# KiCad board input-output.Disk.kicad_pcb (continued)
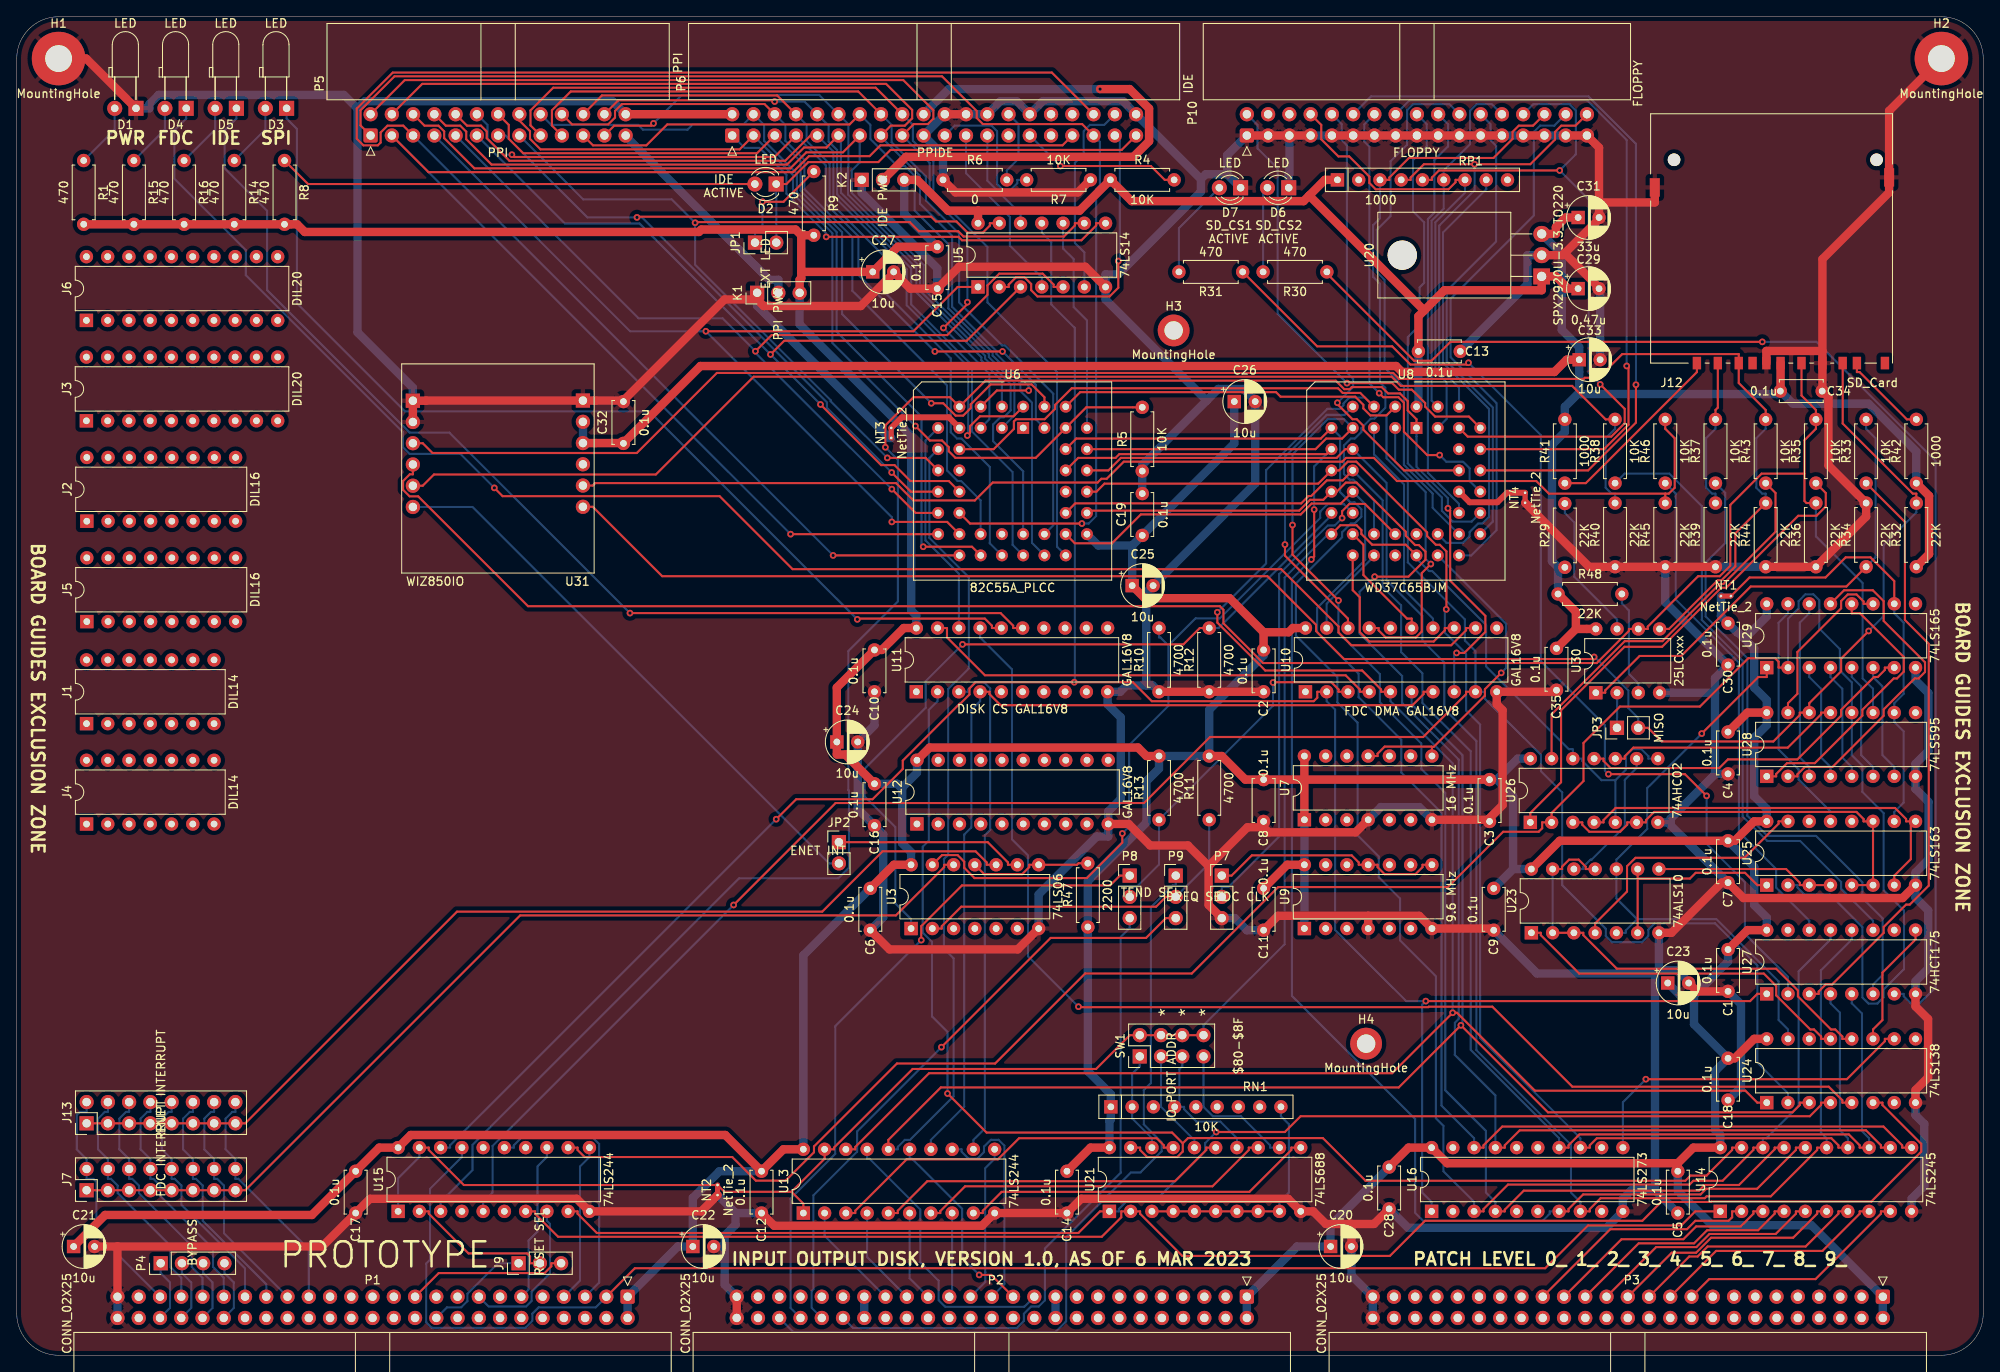
[diagram p0: board, top side]
## Nets (continued)
/PPIDE/~{PC3}: P6.37 U5.2
/PPIDE/~{PC4}: P6.38 U5.6
/PPIDE/~{PC5}: P6.23 U5.4
/PPIDE/~{PC6}: P6.25 U5.12
/PPIDE/~{PC7}: P6.1 U5.8
/PPIDE/~{PDIAG}: P6.34
/WIZNET/D0: U28.15 U29.11
/WIZNET/D1: U28.1 U29.12
/WIZNET/D2: U28.2 U29.13
/WIZNET/D3: U28.3 U29.14
/WIZNET/D4: U28.4 U29.3
/WIZNET/D5: U28.5 U29.4
/WIZNET/D6: U28.6 U29.5
/WIZNET/D7: U28.7 U29.6
/WIZNET/MISO: J12.7 JP3.2 R32.2 U28.14 U31.J2-6
/WIZNET/MOSI: J12.2 R43.2 R44.2 U30.5 U31.J1-3
/WIZNET/QD: U25.5 U25.6 U25.11 U26.3 U26.6 U29.15
/WIZNET/RCO: U23.4 U25.15
/WIZNET/SCK: J12.5 R35.2 R36.2 U28.11 U30.6 U31.J1-4
/WIZNET/~{CLR}: U23.6 U23.9 U25.1
/WIZNET/~{CS0}: R38.2 R40.2 U31.J1-5
/WIZNET/~{CS1}: R33.2 R34.1 U30.1
/WIZNET/~{CS2}: J12.1 R37.2 R39.2
/WIZNET/~{CTRL_WR}: U24.11 U27.9
/WIZNET/~{ENET_INT}: JP2.1 U3.9
/WIZNET/~{LATCH_WR}: U16.11 U24.10
/WIZNET/~{MOSI}: U26.11 U29.7
/WIZNET/~{QD}: U25.7 U25.9 U26.4
/WIZNET/~{RST}: R45.2 R46.2 U31.J2-5
/WIZNET/~{SD_RDNTR}: U23.1 U24.13
/WIZNET/~{SD_RDTR}: U23.2 U23.3 U23.11 U23.13 U24.12
/WIZNET/~{SD_WRTR}: U23.5 U23.10 U24.15 U29.1
/WIZNET/~{SER_RD}: U26.10 U28.13
/WIZNET/~{STAT_RD}: U24.9
/WIZNET/~{TR}: U23.8 U25.3 U25.4
A0: P2.35 U13.2
A1: P2.33 U13.4
A2: P2.31 U13.6
A3: P2.29 U13.8
A4: P2.27 U13.11
A5: P2.25 U13.13
A6: P2.23 U13.15
A7: P2.21 U13.17
bA0: U6.10 U8.4 U10.5 U13.18 U24.1
bA1: U6.9 U10.6 U13.16 U24.3
bA2: U10.7 U11.4 U13.14
bA3: U11.3 U13.12
bA4: U13.9 U21.11
bA5: U13.7 U21.13
bA6: U13.5 U21.15
bA7: U13.3 U21.17
bCLK: U15.12 U25.2 U26.2 U28.12 U29.2
bD0: U6.38 U8.7 U14.18 U16.3 U27.13
bD1: U6.37 U8.8 U14.17 U16.4
bD2: U6.36 U8.9 U14.16 U16.7
bD3: U6.35 U8.10 U14.15 U16.8 U27.12
bD4: U6.33 U8.11 U14.14 U16.13 U27.4
bD5: U6.32 U8.12 U14.13 U16.14 U27.5
bD6: U6.31 U8.13 U14.12 U16.17
bD7: U6.30 U8.14 U14.11 U16.18
CLK: P1.15 U15.8
D0: P3.33 U14.2
D1: P3.31 U14.3
D2: P3.29 U14.4
D3: P3.27 U14.5
D4: P3.25 U14.6
D5: P3.23 U14.7
D6: P3.21 U14.8
D7: P3.19 U14.9
FDC-RESET: U8.20 U10.19
FDC-TC: U8.6 U10.18
INT_FDC: R10.2 U3.13 U8.16
ONE: NT1.2 U25.10 U28.10 U29.10
ZERO: NT2.2 SW1.2 SW1.4 SW1.6 SW1.8 U8.17 U8.24 U13.1 U13.19 U15.1 U15.19 U26.5 U26.8 U26.12
~{BAI}: P1.40 P4.4
~{BAO}: P1.42 P4.3
~{bIORQ}: U15.9 U21.1 U24.4
~{bM1}: U15.7 U21.2 U24.6
~{bRD}: U6.6 U8.1 U10.8 U15.3
~{bRESET}: U5.11 U10.2 U15.18 U16.1 U27.1
~{bWR}: U6.40 U8.2 U10.9 U15.5 U24.2
~{CS_DISK}: U11.2 U14.19 U21.19
~{CS_FDC}: U10.4 U11.19
~{CS_PPIDE}: U6.7 U11.18
~{CS_SPI}: U11.17 U24.5
~{DREQ0}: P2.46 P9.1
~{DREQ1}: P2.42 P9.3
~{EIRQ0}: J7.2 J13.2 P1.45
~{EIRQ1}: J7.4 J13.4 P1.43
~{EIRQ2}: J7.6 J13.6 P1.41
~{EIRQ3}: J7.8 J13.8 P1.39
~{EIRQ4}: J7.10 J13.10 P1.37
~{EIRQ5}: J7.12 J13.12 P1.35
~{EIRQ6}: J7.14 J13.14 P1.33
~{EIRQ7}: J7.16 J13.16 P1.31
~{FDC-DACK}: U8.5 U10.14
~{IEI}: P1.44 P4.2
~{IEO}: P1.46 P4.1
~{IORQ}: P1.7 U15.11
~{LDCR}: U8.19 U10.15
~{LDOR}: U8.18 U10.13
~{M1}: P1.11 U15.13
~{MSR-DATA}: U8.3 U10.17
~{PULSE}: P8.2 R13.1 U10.3
~{RD}: P1.3 U14.1 U15.17
~{RES_IN}: J9.1 P1.20
~{RES_OUT}: J9.3 P1.21
~{TEND0}: P2.44 P8.1
~{TEND1}: P2.40 P8.3
~{WR}: P1.5 U15.15
Net-(D1-Pad2): D1.2 R1.1
Net-(D2-Pad2): D2.2 R8.1
Net-(D3-Pad1): D3.1 U11.16
Net-(D3-Pad2): D3.2 R14.1
Net-(D4-Pad2): D4.2 R15.1
Net-(D5-Pad1): D5.1 U11.15
Net-(D5-Pad2): D5.2 R16.1
Net-(D6-Pad2): D6.2 R30.2
Net-(D7-Pad2): D7.2 R31.2
Net-(J9-Pad2): J9.2 U15.2
Net-(J12-Pad8): J12.8 R42.2
Net-(J12-Pad9): J12.9 R41.1
Net-(J13-Pad1): J13.1 J13.3 J13.5 J13.7 J13.9 J13.11 J13.13 J13.15 U3.10
Net-(JP1-Pad1): JP1.1 R9.1
Net-(JP2-Pad2): JP2.2 U31.J1-6
Net-(JP3-Pad1): JP3.1 U30.2
Net-(P7-Pad1): P7.1 U9.8 U9.11
Net-(P7-Pad2): P7.2 U8.23
Net-(R29-Pad2): R29.2 U30.7
Net-(R30-Pad1): R30.1 U27.7
Net-(R31-Pad1): R31.1 U27.2
Net-(R33-Pad1): R33.1 U27.3
Net-(R35-Pad1): R35.1 U26.1
Net-(R37-Pad1): R37.1 U27.6
Net-(R38-Pad1): R38.1 U27.11
Net-(R43-Pad1): R43.1 U26.13
Net-(R46-Pad1): R46.1 U27.14
Net-(R47-Pad2): R47.2 U3.8 U3.11
Net-(R48-Pad2): R48.2 U30.3
Net-(RN1-Pad2): RN1.2 SW1.1 U21.18
Net-(RN1-Pad3): RN1.3 SW1.3 U21.16
Net-(RN1-Pad4): RN1.4 SW1.5 U21.14
Net-(RN1-Pad5): RN1.5 SW1.7 U21.12
Net-(RN1-Pad9): RN1.9 U21.3 U21.4 U21.5 U21.6 U21.7 U21.8 U21.9
Net-(U5-Pad10): U5.10 U6.39
Net-(U23-Pad12): U23.12 U26.9

Pads without a net: H3 1; H4 1; J1 1 2 3 4 5 6 7 8 9 10 11 12 13 14; J2 1 2 3 4 5 6 7 8 9 10 11 12 13 14 15 16; J3 1 2 3 4 5 6 7 8 9 10 11 12 13 14 15 16 17 18 19 20; J4 1 2 3 4 5 6 7 8 9 10 11 12 13 14; J5 1 2 3 4 5 6 7 8 9 10 11 12 13 14 15 16; J6 1 2 3 4 5 6 7 8 9 10 11 12 13 14 15 16 17 18 19 20; J12 10 11; P10 4 6; RN1 6 7 8; RP1 2 9; U3 3 4 5 6; U6 1 12 23 34; U7 2 3 5 6 9 10 12 13; U8 22 25 38; U9 2 3 5 6 9 10 12 13; U10 1 11 16; U11 1 5 6 7 8 9 11 12 13 14; U12 1 2 3 4 5 6 7 8 9 11 12 13 14 15 16 17 18 19; U15 4 6 14 16; U16 2 5 6 9 12 15 16 19; U24 7 14; U25 12 13 14; U27 10 15; U28 9; U29 9; U31 J2-4

## Via types
v1: diameter 0.8, hole 0.4, Top to Bottom, 79 vias

## Routing (per net, layer and track width the routed paths; a pad name or vN(x,y) marks a point on that pad's centre or on a via; arc(x,y) is an arc through that point)
+12V: length 2.5
  Bottom w1: P2.20 P2.19
-12V: length 2.5
  Bottom w1: P2.38 P2.37
/FDC/GND_PLCC: length 8.9
  Top w0.7: NT4.2 178.08,103.1 176.94,101.96 173.62,101.96 U8.34
/PPIDE/GND_PLCC: length 9.2
  Top w0.7: U6.8 111.39,112.11 105.76,112.11 NT3.2
/PPIDE/VCC_IDE: length 66.8
  Top w1: K2.2 106.27,143.25 133.45,143.25 135.31,145.12 135.31,149.03 132.99,151.35 v1(129.46,151.35)
  Bottom w1: P6.20 111.37,151.35 v1(129.46,151.35)
/PPIDE/VCC_PP: length 27
  Bottom w1: P5.25 72.77,145.72 89.93,128.55 91.02,128.55 K1.2
GND: length 1359.3
  Top w1: 149,63.11 149.6,62.51 159.99,62.51 U7.4 ; 149,63.11 C8.2 ; 149,63.11 147.06,63.11 142.43,58.47 ; C27.2 104.79,129.47 104.86,129.41 ; C28.2 162.2,15.7 159.5,15.7 ; R7.1 126.81,139 112.19,139 R6.1 ; P6.2 85.49,148.35 72.77,148.35 P5.26 ; P6.24 P6.22 ; 184.98,131.72 189.08,135.82 C31.2 189.08,137.8 ; 184.98,131.72 184.76,131.5 U20.2 ; 184.98,131.72 189.08,127.61 C29.2 ; 12.04,13 P1.49 ; 12.04,13 C21.2 ; 12.04,13 36.5,13 C17.2 42.2,18.7 66.93,18.7 U15.10 81.8,17.2 NT2.1 ; C6.2 104.29,48.52 119.62,48.52 U3.7 ; P2.49 P2.50 ; C2.2 R12.1 R10.1 ; 161.5,52.53 150.72,52.53 C11.2 ; 161.5,52.53 U9.4 ; 161.5,52.53 167.6,52.53 U9.7 176.3,51.01 C9.2 ; P10.29 P10.27 ; 142.43,58.47 139.96,60.94 135.44,60.94 132.88,63.51 U12.10 ; 142.43,58.47 142.43,53.83 P7.3 ; 104.86,129.41 100.86,125.42 89.27,125.42 88.47,126.21 ; 104.86,129.41 106.77,127.5 C15.2 112.61,130.11 127.7,130.11 U5.7 ; 88.47,126.21 K1.1 ; 88.47,126.21 84.59,126.21 72.5,114.12 ; 159.5,15.7 C20.2 ; 159.5,15.7 156.44,15.7 154.94,17.2 U21.10 151.93,18.71 127.21,18.71 C14.2 U13.10 115.35,15.49 90.51,15.49 C12.2 ; R44.1 R36.1 221,100.25 R34.2 216.5,106.37 216.5,114.5 C34.2 215.78,115.28 J12.6 215.78,120.05 ; P10.9 P10.11 P10.13 P10.15 P10.17 P10.19 P10.21 P10.23 P10.25 ; U27.8 226.9,41.7 228.41,40.2 228.41,33.2 226.9,31.7 U24.8 ; 72.5,114.12 C32.2 ; 72.5,114.12 U31.J2-1 48.91,114.12 48.89,114.1 U31.J1-1 U31.J1-2 ; 189.08,137.8 195.75,137.8 J12.12 ; 189.08,137.8 189.08,144.36 P10.33 P10.31 ; 215.78,120.05 209.08,120.05 J12.3 ; 215.78,120.05 215.78,131.03 223.75,139 J12.13 223.75,148.75 H2.1 ; C1.2 200.79,43.5 C23.2 ; 175.8,64.01 C3.2 ; 175.8,64.01 177.56,65.77 177.56,77.11 176.86,77.81 U10.10 183.81,79.31 C35.2 ; 175.8,64.01 U7.7 ; D1.1 8.3,155 H1.1 ; U25.8 225.36,54.66 206.34,54.66 C7.2 203.74,56.5 197.74,50.5 U23.7 ; P10.1 P10.3 P10.5 P10.7 ; R39.1 R45.1 R40.1 187.9,94.25 NT4.1
  Bottom w1: 202.95,79.2 202.95,80.95 C30.2 197,90 R45.1 ; 202.95,79.2 202.95,69.55 203,69.5 ; 202.95,79.2 U30.4 ; 142.2,114.12 130.12,126.2 U5.7 130.12,129.2 131.62,129.2 141.51,139.09 141.51,140.59 ; 142.2,114.12 134.5,106.42 R5.1 C19.2 ; 142.2,114.12 143.58,115.5 146.59,115.5 148,114.09 C26.2 148,104.21 C25.2 134.98,91.19 134.98,80.07 ; C5.2 195.78,19.72 ; 195.78,19.72 195.78,45.64 ; 195.78,19.72 192.96,19.72 191.94,18.7 U16.10 189.97,15.24 166.26,15.24 C28.2 ; 85.9,17 NT2.1 ; 85.9,17 C12.2 ; 85.9,17 85.9,15.61 84.6,14.3 84.6,13 ; P6.24 P6.26 117.53,149.89 119.51,149.89 P6.30 122.63,149.91 132.19,149.91 P6.40 141.51,140.59 ; U27.8 226.9,44.7 228.42,46.22 228.42,53.18 226.9,54.7 U25.8 226.9,57.7 228.46,59.25 228.46,66.15 226.9,67.7 U28.8 226.9,70.7 228.44,72.24 228.44,79.16 226.9,80.7 U29.8 ; D6.1 152,141.16 152.08,141.24 P10.5 ; 195.78,45.64 196.15,46.02 196.24,46.02 ; 195.78,45.64 181.67,45.64 C9.2 ; C23.2 199.79,44.62 198.4,46.02 196.24,46.02 ; 197.62,63.7 197.62,64.12 203,69.5 ; 197.62,63.7 197.62,63.38 C7.2 ; 197.62,63.7 U26.7 ; C11.2 147,50.81 145.55,52.25 P7.3 ; K1.1 88.47,125.45 104.27,109.65 NT3.1 ; 203,69.5 C4.2 ; U24.8 226.9,28.7 227.95,27.65 227.95,20.22 226.44,18.7 U14.10 ; R6.1 110.69,143.47 P6.19 P6.22 ; U7.4 163.01,65.52 167.6,65.52 U7.7 ; 141.51,140.59 142.08,141.17 144.64,141.17 ; C10.2 102.5,75.31 C24.2 100.5,65.31 C16.2 103.54,62.27 103.54,52.35 C6.2 ; P10.1 144.64,143.44 144.64,141.17 ; C1.2 206.05,41.95 206.05,32.05 C18.2 ; 40.72,149.02 40.72,122.27 47.34,115.65 U31.J1-1 ; 40.72,149.02 41.61,149.9 71.21,149.9 P5.26 ; 40.72,149.02 39.09,150.65 16.95,150.65 15.85,149.55 15.85,149.05 D1.1 ; P2.49 84.6,8.44 84.6,13 ; 84.6,13 C22.2 ; 144.64,141.17 D7.1 ; C20.2 159.5,9.54 P3.49 P3.50 ; C13.2 180.53,128.03 180.53,131.5 U20.2 ; C33.2 189.21,127.37 C29.2 ; 134.98,80.07 132.62,80.07 131.86,79.31 U11.10 130.36,77.81 131.94,76.23 131.94,66.51 130.44,65.01 U12.10 130.44,62.01 129.04,62.01 122.12,55.08 U3.7 ; 134.98,80.07 135.74,80.07 R10.1 ; K2.1 100.97,138.95 110,129.92 C15.2 ; 196.24,46.02 U23.7 ; P10.31 P10.29 ; P10.7 P10.9 ; P10.25 P10.27 ; P1.49 P1.50 ; R44.1 R39.1
VCC: length 971.5
  Top w1: U9.14 151.82,58.63 C11.1 ; 114.88,136.82 111.28,136.82 107.61,140.5 K2.3 ; 114.88,136.82 U5.14 ; 114.88,136.82 127.01,136.82 R4.1 133.23,137.96 153.78,137.96 154.45,138.62 ; U28.16 206.82,76.82 C4.1 ; RP1.1 156.32,140.5 154.45,138.62 ; 168.19,124.89 170.61,127.31 182.23,127.31 U20.1 183.93,128.96 185.08,127.81 185.08,127.5 C29.1 ; 168.19,124.89 154.45,138.62 ; 168.19,124.89 167.5,124.2 C13.1 ; 198.5,22.96 C5.1 ; 198.5,22.96 200.36,24.82 U14.20 ; 198.5,22.96 170.94,22.96 U16.20 166.32,24.82 C28.1 ; U24.16 207.62,37.82 205.3,35.5 C18.1 ; 93.75,129.5 C27.1 105.29,132.5 C15.1 ; 93.75,129.5 93.75,133.88 ; 93.75,129.5 93.75,128.75 93.56,128.55 K1.3 ; 149,86.43 C2.1 ; 149,86.43 152,86.43 152.5,86.93 U10.20 ; 149,86.43 144.93,90.5 134.8,90.5 C25.1 ; 153.88,68.81 C3.1 ; 153.88,68.81 U7.1 ; 153.88,68.81 C8.1 146.82,68.81 144,71.63 R11.2 ; 153.88,68.81 U7.14 ; U21.20 128.32,24.82 C14.1 ; U27.16 206.82,50.82 C1.1 ; 93.75,133.88 R9.2 ; 93.75,133.88 93.07,134.56 81.81,134.56 81.52,134.27 34.42,134.27 33.5,135.19 R8.2 R14.2 R16.2 R15.2 R1.2 ; U23.14 184.38,61.5 C7.1 205.3,61.5 207.62,63.82 U25.16 ; U13.20 91.62,24.62 C12.1 84.67,26.33 47.08,26.33 U15.20 43.32,24.82 C17.1 35.27,16.77 10.56,16.77 C21.1 ; U12.20 109.09,72.64 133.99,72.64 135,71.63 R13.2 ; U11.20 106,86.93 103.38,84.31 C10.1 98,79.81 C24.1 98,71.81 99,71.81 C16.1 ; C6.1 104.82,58.63 U3.14
  Bottom w1: C3.1 176.86,68.81 ; 176.86,68.81 178.81,66.86 178.81,58.12 ; 176.86,68.81 179.37,71.32 U26.14 ; C6.1 94,47.81 U13.20 ; C12.1 83.98,22 80.79,18.82 C22.1 79,13 P1.1 P1.2 ; 206.46,85.65 207.62,84.48 207.62,79.82 209.12,78.32 U28.16 209.12,75.32 207.62,73.82 207.62,66.82 209.12,65.32 U25.16 ; 206.46,85.65 209.12,88.32 U29.16 ; 206.46,85.65 205.71,86.4 205.6,86.4 C30.1 203.65,88.35 NT1.1 ; U23.14 178.81,58.12 ; 178.81,58.12 C9.1 ; U6.29 129.25,96.79 133.29,96.79 ; U12.20 107.57,69.63 105.73,67.79 ; 200.43,43 198.8,43 C23.1 ; 200.43,43 200.43,39.57 C18.1 202.95,33.95 202.95,26.94 203.57,26.32 U14.20 ; 200.43,43 204.5,47.07 C1.1 ; U27.16 209.12,52.32 207.62,53.82 207.62,58.38 C7.1 ; K1.3 93.56,123.23 106.88,109.91 106.88,89.05 107.5,88.43 U11.20 ; K2.3 106.06,136.44 C15.1 ; C25.1 133.29,96.79 ; 133.29,96.79 C19.1 145.5,109 C26.1 ; C28.1 157,15.5 C20.1 153,13 P2.1 P2.2 ; U9.1 U9.14 U7.1 ; 105.73,67.79 105.21,68.31 C16.1 ; 105.73,67.79 105.81,67.71 105.81,61.19 106.88,60.13 U3.14 ; C13.1 167.5,113.62 U8.44 ; C5.1 198.5,19.64 202.59,15.55 214.45,15.55 P3.1 P3.2 ; U21.20 130.57,28.02 130.75,28.19 RN1.1 130.75,31.2 128,33.95 R47.1 128,56.69 135,63.69 135,68.63 136.5,70.13 R13.2 R11.2 142.5,77.16 149,83.66 C2.1
VDD: length 252
  Top w1: 186.32,86.82 U30.8 ; 186.32,86.82 C35.1 ; 186.32,86.82 186.32,88.87 R48.1 ; R42.1 228.52,102.73 228.52,95.77 R32.1 ; 72.5,109.04 C32.1 ; 72.5,109.04 U31.J2-3 ; 72.5,109.04 81.71,118.25 164.82,118.25 165.54,117.54 183.75,117.54 185.21,119 C33.1 ; C34.1 210.78,115.28 J12.4 ; C31.1 185.08,136 183.93,134.85 183.93,134.04 U20.3
  Bottom w1: 184.19,94.19 R48.1 ; 184.19,94.19 183.46,94.92 183.46,108.83 185,110.37 R41.2 185,113.37 186.71,115.08 ; 184.19,94.19 R29.1 ; 186.71,115.08 C33.1 186.71,120.5 184.63,122.58 184.63,131.64 U20.3 ; 186.71,115.08 186.91,114.89 210.39,114.89 C34.1 212.25,113.75 221.29,113.75 227,108.04 R42.1 ; U31.J2-3 U31.J2-2
16MHZ-CLK: length 39.4
  Top w0.25: U7.11 162.62,71.63 162.62,71.91 163.46,72.76 169.08,72.76 169.12,72.72 ; 169.12,72.72 169.32,72.72 175.45,78.84 175.45,79.62 v1(177.4,81.57) ; 169.12,72.72 U7.8
  Bottom w0.25: v1(177.4,81.57) 177.99,82.16 177.99,87.43 U8.26
/FDC/FDC_DMA: length 91.9
  Top w0.25: v1(113.02,84.98) 139.42,84.98 141.37,86.93 R12.2
  Bottom w0.25: v1(113.02,84.98) 108.63,80.58 108.63,77.41 101.33,70.11 101.33,66.8 104.99,63.13 104.99,54.02 106.88,52.14 U3.1 ; R12.2 143.63,86.93 157.11,100.41 U8.15
/FDC/PCVAL: length 52.8
  Bottom w0.25: U8.27 170.85,97.11 172.83,97.11 173.62,97.9 173.62,98.4 174.64,99.43 175.15,99.43 175.93,100.21 175.93,113.11 170.43,118.61 170.43,134.2 175.6,139.37 RP1.8
/FDC/RDY: length 41.7
  Top w0.25: U3.2 110.54,51.01 110.54,51.29 112.87,53.62 136.15,53.62 137.32,54.79 P9.2
  Bottom w0.25: P9.2 142.5,58.79 R11.1
/FDC/~{DCHG}: length 57.8
  Top w0.25: P10.34 186.28,146.98 184.57,146.98 183.83,146.23 183.83,145.33 180.87,142.37 v1(174.21,142.37) 168.16,142.37 166.57,140.78 166.57,140.5 RP1.4
  Bottom w0.25: U8.40 172.35,115.67 169.98,118.03 169.98,135.02 174.21,139.25 v1(174.21,142.37)
/FDC/~{DIRC}: length 57.2
  Bottom w0.25: P10.18 168.5,147.16 168.5,144.5 166.86,142.86 166.86,136.74 168.18,135.42 168.18,128.18 167.65,127.65 167.65,123.12 166.23,121.7 166.23,106.61 170.3,102.54 170.3,100.94 171.59,99.65 173.85,99.65 U8.31
/FDC/~{DS1}: length 54.5
  Top w0.25: v1(170.04,107.6) 168.55,107.6 165.77,110.39 165.77,113.87 165.12,114.52 163.3,114.52 v1(162.82,115)
  Bottom w0.25: P10.14 161.03,147.13 161.03,145.09 161.63,144.48 161.63,116.18 v1(162.82,115) ; U8.33 173.62,104.5 173.62,106.02 172.83,106.81 170.83,106.81 v1(170.04,107.6)
/FDC/~{DS2}: length 91.3
  Top w0.25: U8.35 187.78,105.77 193.5,111.49 v1(193.5,116.01)
  Bottom w0.25: v1(193.5,116.01) 193.5,144.8 187.82,150.48 161.84,150.48 P10.12
/FDC/~{HS}: length 64.4
  Bottom w0.25: P10.32 183.74,146.98 182.03,146.98 181.29,146.23 181.29,136.24 171.36,126.3 171.36,119.28 176.84,113.81 176.84,98.62 173.82,95.61 U8.28
/FDC/~{IDX}: length 56.4
  Top w0.25: P10.8 155.89,147.07 155.89,145.35 157.94,143.3 159.23,143.3 161.63,140.89 161.63,140.13 162.39,139.37 171.1,139.37 171.94,140.22 171.94,140.5 RP1.7
  Bottom w0.25: U8.43 170.87,111.91 170.87,116.28 169.53,117.62 169.53,135.44 173.06,138.97 RP1.7
/FDC/~{INT_FDC}: length 119.9
  Top w0.25: J7.1 J7.3 J7.5 J7.7 J7.9 J7.11 J7.13 J7.15 27.31,19.72 60.16,52.58 105.06,52.58 110.83,58.35 110.83,58.63 U3.12
/FDC/~{MO1}: length 54.6
  Top w0.25: v1(157.82,113.86) 157.82,113.69 159.62,111.89 160.13,111.89 160.92,111.1 160.92,110.64 165.79,105.77 U8.36
  Bottom w0.25: P10.10 158.34,147.17 158.34,145.24 158.95,144.63 158.95,117.46 159.7,116.71 159.7,115.73 v1(157.82,113.86)
/FDC/~{MO2}: length 83.3
  Top w0.25: U8.37 189.68,108.31 192.6,111.23 192.6,118.04 v1(192.39,118.25)
  Bottom w0.25: P10.16 166.45,150.01 187.65,150.01 192.39,145.27 v1(192.39,118.25)
/FDC/~{RDD}: length 71.2
  Top w0.25: P10.30 181.2,146.98 179.49,146.98 178.75,146.23 178.75,145.4 176.47,143.12 166.37,143.12 164.03,140.78 164.03,140.5 RP1.3
  Bottom w0.25: U8.21 162.19,102.19 159.72,104.66 159.28,104.66 158.6,105.34 158.6,108.76 159.42,109.58 159.91,109.58 160.69,110.36 160.69,110.83 161.82,111.96 162.24,111.96 163.54,113.26 163.54,115.64 162.91,116.28 162.91,128.09 162.09,128.92 162.09,135.08 162.91,135.91 RP1.3
/FDC/~{RWC}: length 55.5
  Top w0.25: v1(158.96,116.21) 164.37,116.21 165.16,115.42 166.71,115.42 168.31,113.82 168.31,113.39 169.49,112.21 173.53,112.21 U8.39
  Bottom w0.25: v1(158.96,116.21) 150.69,124.49 150.69,141.85 148.27,144.26 148.27,147.07 P10.2
/FDC/~{STEP}: length 50.7
  Bottom w0.25: U8.32 172.35,101.76 168.63,105.48 168.63,135.81 169.4,136.58 169.4,142.86 171.05,144.51 171.05,147.15 P10.20
/FDC/~{TR00}: length 42.2
  Bottom w0.25: P10.26 176.26,149.56 174.47,149.56 173.67,148.76 173.67,144.77 170.53,141.63 RP1.6 170.53,137.06 169.08,135.62 169.08,114.12 U8.42
/FDC/~{WD}: length 63.3
  Bottom w0.25: U8.30 169.2,101.3 169.2,103 165.77,106.44 165.77,115.74 163.46,118.05 163.46,128.54 162.53,129.47 162.53,134.53 164.18,136.18 164.18,142.72 166.14,144.69 166.14,148.83 166.87,149.55 171.19,149.55 P10.22
/FDC/~{WE}: length 56.3
  Bottom w0.25: P10.24 176.12,147.17 176.12,145.24 176.78,144.58 176.78,133.13 170.88,127.24 170.88,118.8 176.38,113.3 176.38,99.64 U8.29
/FDC/~{WP}: length 86.4
  Top w0.25: v1(184.38,141.63) 169.95,141.63 169.11,140.78 169.11,140.5 RP1.5 ; v1(189.22,116.06) 192.15,113.12 192.15,111.42 190.54,109.81 173.39,109.81 U8.41
  Bottom w0.25: v1(189.22,116.06) 187.84,117.44 187.84,138.16 v1(184.38,141.63) 186.32,143.57 186.32,148.79 185.56,149.55 181.23,149.55 P10.28
/GAL/~{CS_FDC_LED}: length 191.8
  Top w0.25: v1(57.07,103.68) 58.06,102.69 83.99,102.69 92.71,93.97 151.1,93.97 157.95,87.12 157.95,86.41 159.49,84.87 171.42,84.87 173.19,86.65 173.19,86.93 U10.12
  Bottom w0.25: D4.1 20.25,147.82 18.84,146.41 18.84,140.64 27.38,132.11 27.38,129.11 46.16,110.32 46.16,108.52 46.93,107.75 53,107.75 v1(57.07,103.68)
/PPIDE/CSEL: length 8.9
  Bottom w0.25: R6.2 118.31,141.63 119.71,143.02 119.71,147.15 P6.28
/PPIDE/DMARQ: length 17.9
  Bottom w0.25: P6.21 112.08,146.98 116.49,146.98 117.16,146.32 117.16,139.99 117.78,139.37 118.85,139.37 119.56,140.08 119.56,140.5 R7.2
/PPIDE/PA0: length 118.1
  Top w0.25: P5.2 46.37,152.43 105.94,152.43 109.54,148.83 109.54,147.82 108.89,147.17 107.18,147.17 P6.17 ; v1(113.6,125.88) 113.6,125.66 v1(110.74,122.79)
  Bottom w0.25: P6.17 109.1,142.53 109.1,138.66 113.6,134.16 v1(113.6,125.88) ; v1(110.74,122.79) 116.23,117.31 116.23,111.89 U6.5
/PPIDE/PA1: length 114.9
  Top w0.25: P6.15 104.46,146.98 106.12,146.98 107,147.86 107,148.86 103.89,151.97 48.46,151.97 P5.4 ; v1(120.93,115.32) 117.12,115.32 U6.4
  Bottom w0.25: P6.15 103.28,145.63 107.93,140.98 107.93,137.65 111.78,133.81 111.78,125.33 117.07,120.04 117.07,119.69 120.93,115.83 v1(120.93,115.32)
/PPIDE/PA2: length 102.2
  Top w0.25: P6.13 98.73,143.79 94.35,143.79 92.44,141.87 54.7,141.87 51.08,145.49 51.08,146.29 50.39,146.98 48.73,146.98 P5.6
  Bottom w0.25: U6.3 119.23,112.35 119.23,116.26 116.17,119.32 116.17,119.67 108.39,127.44 108.39,130.33 99.78,138.94 99.78,141.62 100.74,142.58 P6.13
/PPIDE/PA3: length 93.3
  Top w0.25: P6.11 96.77,144.37 94.08,144.37 92.05,142.33 56.74,142.33 53.72,145.36 53.72,146.26 53,146.98 51.27,146.98 P5.8
  Bottom w0.25: P6.11 98.49,145.51 98.49,138.96 107.49,129.96 107.49,127.07 115.27,119.29 115.27,118.94 117.73,116.48 U6.2
/PPIDE/PA4: length 99.2
  Top w0.25: P5.10 53.81,146.98 55.47,146.98 56.16,146.29 56.16,145.49 58.87,142.78 91.83,142.78 94.85,145.8 P6.9 ; U6.44 119.12,112.24 115.1,112.24 113.92,111.05 113.92,110.26 v1(113.6,109.94)
  Bottom w0.25: v1(113.6,109.94) 113.7,110.04 113.7,118.16 106.34,125.52 106.34,129.83 97.59,138.59 97.59,143.87 P6.9
/PPIDE/PA5: length 94.3
  Top w0.25: P6.7 90.55,143.23 59.45,143.23 v1(59.17,143.51) ; v1(117.8,119.99) v1(109.72,119.99)
  Bottom w0.25: v1(59.17,143.51) 58.15,143.51 56.25,145.41 56.25,147.07 P5.12 ; v1(117.8,119.99) 121.77,116.01 121.77,111.89 U6.43 ; P6.7 96.69,142.24 96.69,137.64 100.59,133.74 100.59,129.12 v1(109.72,119.99)
/PPIDE/PA6: length 94.3
  Top w0.25: U6.42 122.81,114.52 121.28,116.05 116.38,116.05 114.01,113.67 114.01,113.23 113.09,112.32 112.2,112.32 110.72,113.8 v1(109.29,113.8) ; P6.5 88.46,143.69 60.52,143.69 58.8,145.41 58.8,147.07 P5.14
  Bottom w0.25: P6.5 93.67,142.71 93.67,139.2 98.63,134.24 98.63,124.45 v1(109.29,113.8)
/PPIDE/PA7: length 105.6
  Top w0.25: R5.2 127.81,113.31 U6.41 121.77,107.27 112.17,107.27 111.38,108.06 111.38,108.54 110.58,109.35 109.12,109.35 v1(107.39,111.08) ; P5.16 60.06,147.59 61.33,146.32 61.33,145.4 62.59,144.14 86.38,144.14 P6.3
  Bottom w0.25: P6.3 92.76,141.08 92.76,138.83 97.47,134.13 97.47,121 v1(107.39,111.08)
/PPIDE/PB0: length 94.4
  Top w0.25: U6.20 114.15,96.65 v1(108.32,96.65)
  Bottom w0.25: v1(108.32,96.65) 108.12,96.85 108.12,112.21 97.98,122.35 97.98,134.25 93.22,139.01 93.22,141.26 89.31,145.17 89.31,147.07 P6.4 86.86,147.17 80.83,147.17 80.16,146.5 74.82,146.5 74.25,147.07 63.88,147.07 P5.18
/PPIDE/PB1: length 88.6
  Top w0.25: P5.20 66.36,147.13 70.68,147.13 71.5,147.95 71.5,148.73 72.32,149.56 89.36,149.56 P6.6
  Bottom w0.25: U6.21 115.19,102.17 112.86,104.5 112.44,104.5 111.16,105.77 111.16,115.93 99.86,127.23 99.86,133.65 94.12,139.38 94.12,142.89 91.85,145.17 91.85,147.07 P6.6
/PPIDE/PB2: length 90.5
  Top w0.25: P5.22 69.93,150.59 90.87,150.59 P6.8
  Bottom w0.25: P6.8 94.39,147.07 94.39,145.17 97.14,142.42 97.14,137.89 103.61,131.42 103.61,127.18 111.61,119.17 111.61,110.33 112.36,109.58 112.89,109.58 116.28,106.19 116.28,97.06 U6.22
/PPIDE/PB3: length 89.7
  Top w0.25: P5.24 71.9,150.01 90.42,150.01 v1(90.57,149.86)
  Bottom w0.25: U6.24 119,96.88 119,105.57 114.15,110.42 114.15,118.35 106.89,125.61 106.89,129.92 98.04,138.77 98.04,144.06 97.02,145.07 97.02,146.98 P6.10 94.14,149.86 v1(90.57,149.86)
/PPIDE/PB4: length 92.3
  Top w0.25: v1(76.09,147.25) 75.82,146.98 71.4,146.98 P5.23
  Bottom w0.25: v1(76.09,147.25) 79.5,150.66 95.88,150.66 P6.12 99.39,147.15 99.39,142.09 99.33,142.03 99.33,138.75 107.94,130.14 107.94,127.26 115.72,119.48 115.72,119.13 118.78,116.07 118.78,112.95 117.95,112.12 117.53,112.12 116.68,111.27 116.68,109.25 120.27,105.67 U6.25
/PPIDE/PB5: length 97.5
  Top w0.25: P6.14 99.52,147.13 77.74,147.13 75.24,144.62 68.86,144.62 P5.21
  Bottom w0.25: U6.26 121.32,97.1 121.32,113.86 119.94,115.25 119.94,116.18 116.62,119.5 116.62,119.85 111.33,125.15 111.33,132.81 107.29,136.84 107.29,140.98 106.14,142.14 105.24,142.14 102.01,145.37 102.01,147.07 P6.14
/PPIDE/PB6: length 104.3
  Top w0.25: P6.16 100.55,151.07 66.21,151.07 63.95,148.82 63.95,146.99 P5.19
  Bottom w0.25: P6.16 104.55,147.07 104.55,145 108.65,140.91 108.65,138.05 112.61,134.08 112.61,125.85 117.74,120.71 118.1,120.71 123.86,114.95 123.86,99.2 U6.27
/PPIDE/PB7: length 111.2
  Top w0.25: P5.17 61.39,147.02 61.39,148.8 64.11,151.52 102.64,151.52 P6.18
  Bottom w0.25: P6.18 107.09,147.07 107.09,145.17 109.55,142.71 109.55,138.93 116,132.47 116,125.85 124.31,117.54 124.31,96.65 U6.28
/PPIDE/PC0: length 159.4
  Top w0.25: v1(127.28,99.42) 113.92,99.42 U6.16 ; P5.1 41.08,147.01 41.08,148.82 45.14,152.88 110.57,152.88 114.71,148.74 114.71,147.91 115.45,147.17 127.32,147.17 P6.35
  Bottom w0.25: P6.35 129.44,145.05 129.44,139.83 128.99,139.38 128.99,100.32 128.09,99.42 v1(127.28,99.42)
/PPIDE/PC1: length 170
  Top w0.25: P5.3 49.2,141.42 92.76,141.42 94.68,143.34 101.92,143.34 103.21,144.63 124.96,144.63 P6.33 ; U6.17 v1(92.48,98.15)
  Bottom w0.25: P5.3 v1(92.48,98.15)
/PPIDE/PC2: length 190.8
  Top w0.25: P6.36 123.69,153.33 44.94,153.33 40.62,149.01 40.62,145.43 41.43,144.62 43.15,144.62 43.49,144.96 43.49,146.16 44.3,146.98 46.19,146.98 P5.5 ; U6.18 v1(97.56,95.61)
  Bottom w0.25: P5.5 v1(97.56,95.61)
/PPIDE/PC3: length 117.5
  Top w0.25: U6.19 111.19,99.61 v1(104.57,99.61) ; U5.1 112.44,127.7 107.15,122.4 v1(82.35,122.4)
  Bottom w0.25: v1(104.57,99.61) 104.57,100.18 v1(82.35,122.4) 73.3,122.4 P5.7
/PPIDE/PC4: length 118.5
  Top w0.25: v1(88.28,120.01) 90.2,121.94 111.19,121.94 116,126.75 116,127.88 117.41,129.29 122.6,129.29 123.91,127.98 123.91,127.7 U5.5 ; U6.15 107.41,100.69 v1(104.57,103.53)
  Bottom w0.25: P5.9 74.29,123.95 84.34,123.95 v1(88.28,120.01) 88.28,119.83 v1(104.57,103.53)
/PPIDE/PC5: length 108.5
  Top w0.25: v1(90.07,119.63) 91.71,121.27 113.52,121.27 U5.3 ; U6.14 111.38,104.5 106.8,104.5 104.9,106.4 103.3,106.4 v1(96.05,113.65)
  Bottom w0.25: v1(96.05,113.65) 90.07,119.63 v1(90.07,119.63) 74.42,135.29 65.5,135.29 P5.11
/PPIDE/PC6: length 115.4
  Top w0.25: v1(104.56,105.52) 106.84,103.23 U6.13 ; v1(74.12,136.01) 74.2,136.1 109.27,136.1 109.84,135.53 112.3,135.53 113.63,134.19 115.45,134.19 116.29,135.04 116.29,135.32 U5.13
  Bottom w0.25: P5.13 58.4,145.8 68.19,136.01 v1(74.12,136.01) 74.72,136.01 96.81,113.92 96.81,113.26 v1(104.56,105.52)
/PPIDE/PC7: length 117.7
  Top w0.25: v1(104.04,107.27) 108.61,107.27 U6.11 ; v1(81.06,135.37) 81.14,135.45 106.71,135.45 107.8,134.36 112.51,134.36 113.14,133.73 125.14,133.73 126.45,135.04 126.45,135.32 U5.9
  Bottom w0.25: P5.15 67.7,138.17 78.27,138.17 v1(81.06,135.37) 81.06,130.36 97.26,114.17 97.26,114.04 v1(104.04,107.27)
/PPIDE/~{ACTIVE}: length 52.4
  Top w0.25: P6.39 132.04,144.08 104.42,144.08 102.96,142.63 94.6,142.63 91.98,140 D2.1
  Bottom w0.25: D2.1 90.75,138.77 90.77,138.76 JP1.2
/PPIDE/~{DMACK}: length 19.4
  Top w0.25: R4.2 137.18,140.5 135.53,142.15 v1(124.71,142.15)
  Bottom w0.25: v1(124.71,142.15) P6.29
/PPIDE/~{PC3}: length 35.2
  Top w0.25: v1(131.64,130.79) 131.64,127.61 130.6,126.57 121.98,126.57 121.22,127.32 121.22,128.06 120.44,128.84 119.4,128.84 118.54,127.98 118.54,127.7 U5.2
  Bottom w0.25: v1(131.64,130.79) 131.82,130.97 131.82,145.21 P6.37
/PPIDE/~{PC4}: length 24.1
  Bottom w0.25: U5.6 127.57,131.83 126.45,132.96 126.45,142.55 127.5,143.6 127.5,146.33 128.25,147.07 129.95,147.07 P6.38
/PPIDE/~{PC5}: length 21.9
  Bottom w0.25: P6.23 113.44,141.31 118.69,136.06 118.69,132.64 122.5,128.83 U5.4
/PPIDE/~{PC6}: length 12.1
  Bottom w0.25: P6.25 115.98,140.42 119.96,136.45 U5.12
/PPIDE/~{PC7}: length 52.4
  Top w0.25: v1(96.73,133.69) 112.54,133.69 112.95,133.28 127.23,133.28 128.99,135.04 128.99,135.32 U5.8
  Bottom w0.25: P6.1 86.98,144.33 88.75,144.33 91.98,141.1 91.98,138.84 96.73,134.09 v1(96.73,133.69)
/WIZNET/D0: length 20.7
  Top w0.25: U28.15 211.66,77.95 212.79,79.07 212.79,84.07 218.01,89.29 218.01,90.15 218.81,90.95 219.86,90.95 220.7,90.1 220.7,89.82 U29.11
/WIZNET/D1: length 33.4
  Top w0.25: U28.1 210.25,69.2 210.25,69.48 211.54,70.78 214.87,70.78 220.56,76.46 220.56,77.16 224.3,80.9 224.69,80.9 225.5,81.71 225.5,83.47 220.27,88.69 219.28,88.69 U29.12
/WIZNET/D2: length 40.2
  Top w0.25: U29.13 218.37,91.44 221.8,91.44 223.1,90.15 223.1,87.78 228.04,82.83 228.04,81.68 227.27,80.9 226.81,80.9 223.1,77.19 223.1,76.44 216.98,70.33 213.68,70.33 212.79,69.44 212.79,69.2 U28.2
/WIZNET/D3: length 21.6
  Bottom w0.25: U29.14 214.21,88.69 213.08,87.57 213.08,71.45 214.21,70.33 U28.3
/WIZNET/D4: length 14.1
  Bottom w0.25: U28.4 216.75,70.33 215.62,71.45 215.62,79.66 214.21,81.07 U29.3
/WIZNET/D5: length 14.1
  Bottom w0.25: U29.4 216.75,81.07 218.16,79.66 218.16,71.45 219.28,70.33 U28.5
/WIZNET/D6: length 14.1
  Bottom w0.25: U28.6 221.82,70.33 220.41,71.74 220.41,79.95 219.28,81.07 U29.5
/WIZNET/D7: length 14.1
  Bottom w0.25: U29.6 221.82,81.07 222.95,79.95 222.95,71.74 224.37,70.33 U28.7
/WIZNET/MISO: length 213.3
  Top w0.25: J12.7 218.2,111.37 226.58,103 227,103 R32.2 ; v1(221.31,86.58) 218.01,83.28 218.01,81.76 214.21,77.95 U28.14 213.08,76.82 213.08,76.54 209.91,73.37 196.57,73.37 194.94,75 JP3.2 ; U31.J2-6 68.84,101.42 77.13,93.13 149.46,93.13 155.27,87.31 155.27,86.57 158.61,83.22 188.25,83.22 v1(188.5,83.47)
  Bottom w0.25: v1(221.31,86.58) 223.1,88.36 223.1,96.84 227,100.74 R32.2 ; JP3.2 193.76,76.18 192.59,77.35 192.59,79.45 188.57,83.47 v1(188.5,83.47)
/WIZNET/MOSI: length 206
  Top w0.25: R43.2 209,113 205.78,116.22 J12.2 205.78,119.68 191.85,119.68 189.02,116.84 187.39,116.84 187.26,116.71 165.19,116.71 164.48,117.42 83.67,117.42 74.1,107.85 49.68,107.85 48.52,109.02 U31.J1-3 ; U30.5 197.45,86.82 203.27,92.64 203.72,92.64 205.38,94.3 205.38,98.25 R44.2
  Bottom w0.25: R44.2 209,103 208.58,103 207.87,103.7 207.87,109.62 209,110.74 R43.2
/WIZNET/QD: length 82.2
  Top w0.25: U26.3 187.08,63.7 187.08,63.42 187.92,62.57 191.61,62.57 192.45,63.42 192.45,63.7 U26.6 194.7,63.7 194.7,63.98 195.66,64.95 219.86,64.95 220.7,64.1 220.7,63.82 U25.11 U25.6 U25.5
  Bottom w0.25: U25.11 220.7,63.82 220.7,64.1 219.86,64.95 216.8,64.95 212.94,68.82 212.94,70.02 210.54,72.41 210.54,87.57 211.66,88.69 U29.15
/WIZNET/RCO: length 31.2
  Top w0.25: U25.15 210.54,63.82 210.54,63.54 206.46,59.46 193.44,59.46 192.43,58.46 192.43,55.44 188.62,51.63 U23.4
/WIZNET/SCK: length 241.8
  Top w0.25: 213.63,105.38 213.63,109.38 215,110.74 R35.2 215,113 213.28,114.72 J12.5 ; 213.63,105.38 213.63,102.11 213.87,101.87 R36.2 ; 213.63,105.38 208.51,105.38 204.77,101.65 204.77,94.38 203.51,93.12 200.93,93.12 194.91,87.1 194.91,86.82 U30.6 192.65,86.82 192.65,86.59 188.81,82.74 148.95,82.74 144.2,87.49 144.2,89.11 143.77,89.54 61.1,89.54 47.97,102.67 46.95,102.67 46.16,103.45 46.16,104.5 46.97,105.3 47.34,105.3 U31.J1-4
  Bottom w0.25: R36.2 215,97.89 220.58,92.3 220.58,80.91 221.82,79.66 U28.11
/WIZNET/~{CLR}: length 23.9
  Top w0.25: U23.9 193.7,56.99 ; 193.7,56.99 199.95,56.99 200.63,57.67 206.53,57.67 208,56.2 U25.1 ; 193.7,56.99 U23.6
/WIZNET/~{CS0}: length 162.3
  Top w0.25: R38.2 189.87,111.87 185.87,115.87 165.39,115.87 164.3,116.97 88.06,116.97 76.38,105.28 49.86,105.28 48.52,103.94 U31.J1-5
  Bottom w0.25: R38.2 191,110.74 189.87,109.62 189.87,103.7 190.58,103 191,103 R40.2
/WIZNET/~{CS1}: length 57.3
  Top w0.25: R34.1 218.64,91.89 207.21,91.89 198.91,83.59 193.93,83.59 189.83,79.48 189.83,79.2 U30.1
  Bottom w0.25: R33.2 221,110.74 222.13,109.61 222.13,95.38 R34.1
/WIZNET/~{CS2}: length 18
  Top w0.25: R37.2 203,113 203.28,113.28 J12.1
  Bottom w0.25: R39.2 203,103 202.58,103 201.87,103.7 201.87,109.62 203,110.74 R37.2
